# KiCad board JL-rev1.kicad_pcb (continued)
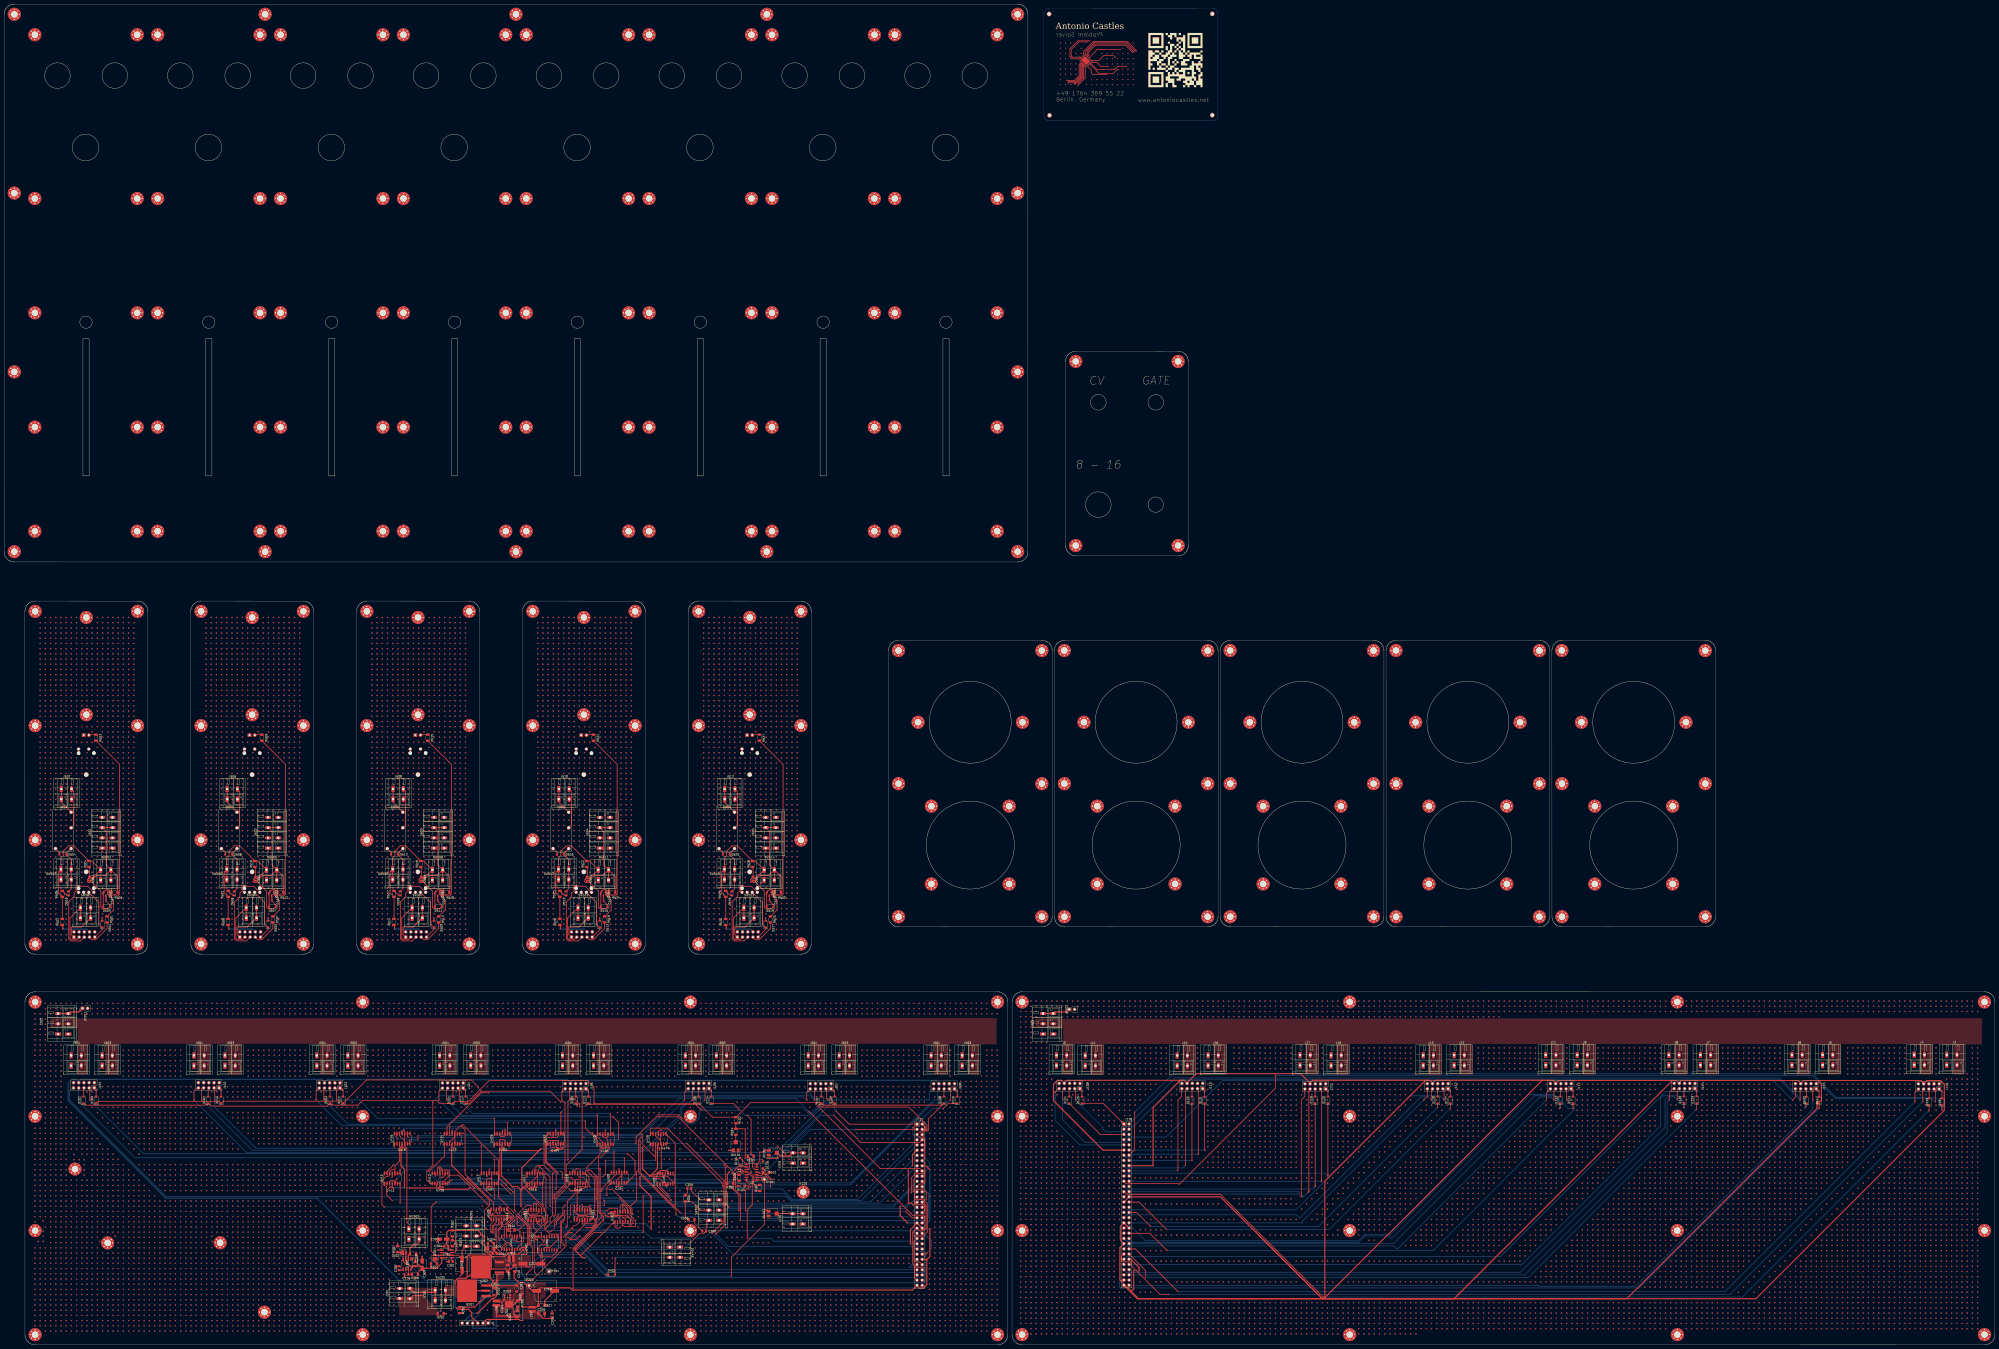
[diagram p0: board, top side]
## Routing (per net, layer and track width the routed paths; a pad name or vN(x,y) marks a point on that pad's centre or on a via; arc(x,y) is an arc through that point) (continued)
v2(144.63,77.92) v2(144.63,75.38) v2(144.63,70.3) v2(144.63,67.76) v2(144.63,65.22) v2(144.63,62.68) v2(144.63,60.14) v2(144.63,57.6) v2(144.63,55.06) v2(144.63,52.52) v2(144.63,49.98) v2(144.63,47.44) v2(144.63,44.9) v2(144.63,42.36) v2(144.63,39.82) v2(144.63,37.28) v2(144.63,34.74) v2(144.63,32.2) v2(144.63,29.66) v2(144.63,27.12) v2(144.63,24.58) v2(144.63,22.04) v2(144.63,19.5) v2(144.63,16.96) v2(144.63,14.42) v2(144.63,11.88) v2(144.63,9.34) v2(144.63,6.8) v2(147.17,166.82) v2(147.17,164.28) v2(147.17,161.74) v2(147.17,143.96) v2(147.17,141.42) v2(147.17,138.88) v2(147.17,136.34) v2(147.17,133.8) v2(147.17,131.26) v2(147.17,126.18) v2(147.17,123.64) v2(147.17,121.1) v2(147.17,113.48) v2(147.17,110.94) v2(147.17,108.4) v2(147.17,105.86) v2(147.17,103.32) v2(147.17,100.78) v2(147.17,98.24) v2(147.17,88.08) v2(147.17,85.54) v2(147.17,83) v2(147.17,80.46) v2(147.17,77.92) v2(147.17,75.38) v2(147.17,70.3) v2(147.17,67.76) v2(147.17,65.22) v2(147.17,62.68) v2(147.17,60.14) v2(147.17,57.6) v2(147.17,55.06) v2(147.17,52.52) v2(147.17,49.98) v2(147.17,47.44) v2(147.17,44.9) v2(147.17,42.36) v2(147.17,39.82) v2(147.17,37.28) v2(147.17,34.74) v2(147.17,32.2) v2(147.17,29.66) v2(147.17,27.12) v2(147.17,24.58) v2(147.17,22.04) v2(147.17,19.5) v2(147.17,16.96) v2(147.17,14.42) v2(147.17,11.88) v2(147.17,9.34) v2(147.17,6.8) v2(149.71,166.82) v2(149.71,164.28) v2(149.71,161.74) v2(149.71,126.18) v2(149.71,123.64) v2(149.71,121.1) v2(149.71,113.48) v2(149.71,110.94) v2(149.71,108.4) v2(149.71,105.86) v2(149.71,103.32) v2(149.71,100.78) v2(149.71,98.24) v2(149.71,88.08) v2(149.71,85.54) v2(149.71,83) v2(149.71,80.46) v2(149.71,77.92) v2(149.71,75.38) v2(149.71,70.3) v2(149.71,67.76) v2(149.71,65.22) v2(149.71,62.68) v2(149.71,60.14) v2(149.71,57.6) v2(149.71,55.06) v2(149.71,52.52) v2(149.71,49.98) v2(149.71,47.44) v2(149.71,44.9) v2(149.71,42.36) v2(149.71,39.82) v2(149.71,37.28) v2(149.71,34.74) v2(149.71,32.2) v2(149.71,29.66) v2(149.71,27.12) v2(149.71,24.58) v2(149.71,22.04) v2(149.71,19.5) v2(149.71,16.96) v2(149.71,14.42) v2(149.71,11.88) v2(149.71,9.34) v2(149.71,6.8) v2(152.25,166.82) v2(152.25,164.28) v2(152.25,161.74) v2(152.25,113.48) v2(152.25,110.94) v2(152.25,108.4) v2(152.25,105.86) v2(152.25,103.32) v2(152.25,100.78) v2(152.25,98.24) v2(152.25,88.08) v2(152.25,85.54) v2(152.25,83) v2(152.25,80.46) v2(152.25,77.92) v2(152.25,75.38) v2(152.25,67.76) v2(152.25,65.22) v2(152.25,62.68) v2(152.25,60.14) v2(152.25,57.6) v2(152.25,55.06) v2(152.25,52.52) v2(152.25,49.98) v2(152.25,47.44) v2(152.25,44.9) v2(152.25,42.36) v2(152.25,39.82) v2(152.25,37.28) v2(152.25,34.74) v2(152.25,32.2) v2(152.25,29.66) v2(152.25,27.12) v2(152.25,24.58) v2(152.25,22.04) v2(152.25,19.5) v2(152.25,16.96) v2(152.25,14.42) v2(152.25,11.88) v2(152.25,9.34) v2(152.25,6.8) v2(154.79,166.82) v2(154.79,164.28) v2(154.79,161.74) v2(154.79,123.64) v2(154.79,113.48) v2(154.79,110.94) v2(154.79,108.4) v2(154.79,105.86) v2(154.79,103.32) v2(154.79,100.78) v2(154.79,98.24) v2(154.79,88.08) v2(154.79,85.54) v2(154.79,83) v2(154.79,80.46) v2(154.79,77.92) v2(154.79,75.38) v2(154.79,65.22) v2(154.79,62.68) v2(154.79,60.14) v2(154.79,57.6) v2(154.79,55.06) v2(154.79,52.52) v2(154.79,49.98) v2(154.79,47.44) v2(154.79,44.9) v2(154.79,42.36) v2(154.79,39.82) v2(154.79,37.28) v2(154.79,34.74) v2(154.79,32.2) v2(154.79,29.66) v2(154.79,27.12) v2(154.79,24.58) v2(154.79,22.04) v2(154.79,19.5) v2(154.79,16.96) v2(154.79,14.42) v2(154.79,11.88) v2(154.79,9.34) v2(154.79,6.8) v2(157.33,166.82) v2(157.33,164.28) v2(157.33,161.74) v2(157.33,123.64) v2(157.33,110.94) v2(157.33,108.4) v2(157.33,105.86) v2(157.33,103.32) v2(157.33,100.78) v2(157.33,98.24) v2(157.33,88.08) v2(157.33,85.54) v2(157.33,83) v2(157.33,80.46) v2(157.33,77.92) v2(157.33,75.38) v2(157.33,70.3) v2(157.33,62.68) v2(157.33,60.14) v2(157.33,57.6) v2(157.33,55.06) v2(157.33,52.52) v2(157.33,49.98) v2(157.33,47.44) v2(157.33,44.9) v2(157.33,42.36) v2(157.33,39.82) v2(157.33,37.28) v2(157.33,34.74) v2(157.33,32.2) v2(157.33,29.66) v2(157.33,27.12) v2(157.33,24.58) v2(157.33,22.04) v2(157.33,19.5) v2(157.33,16.96) v2(157.33,14.42) v2(157.33,11.88) v2(157.33,9.34) v2(157.33,6.8) v2(159.87,166.82) v2(159.87,164.28) v2(159.87,161.74) v2(159.87,108.4) v2(159.87,105.86) v2(159.87,103.32) v2(159.87,100.78) v2(159.87,98.24) v2(159.87,88.08) v2(159.87,85.54) v2(159.87,83) v2(159.87,80.46) v2(159.87,77.92) v2(159.87,75.38) v2(159.87,70.3) v2(159.87,67.76) v2(159.87,60.14) v2(159.87,57.6) v2(159.87,55.06) v2(159.87,52.52) v2(159.87,49.98) v2(159.87,47.44) v2(159.87,44.9) v2(159.87,42.36) v2(159.87,39.82) v2(159.87,37.28) v2(159.87,34.74) v2(159.87,32.2) v2(159.87,29.66) v2(159.87,27.12) v2(159.87,24.58) v2(159.87,22.04) v2(159.87,19.5) v2(159.87,16.96) v2(159.87,14.42) v2(159.87,11.88) v2(159.87,9.34) v2(159.87,6.8) v2(162.41,166.82) v2(162.41,164.28) v2(162.41,161.74) v2(162.41,143.96) v2(162.41,141.42) v2(162.41,138.88) v2(162.41,136.34) v2(162.41,133.8) v2(162.41,131.26) v2(162.41,116.02) v2(162.41,105.86) v2(162.41,103.32) v2(162.41,100.78) v2(162.41,98.24) v2(162.41,88.08) v2(162.41,85.54) v2(162.41,83) v2(162.41,80.46) v2(162.41,77.92) v2(162.41,75.38) v2(162.41,70.3) v2(162.41,67.76) v2(162.41,65.22) v2(162.41,57.6) v2(162.41,55.06) v2(162.41,52.52) v2(162.41,49.98) v2(162.41,47.44) v2(162.41,44.9) v2(162.41,42.36) v2(162.41,39.82) v2(162.41,37.28) v2(162.41,34.74) v2(162.41,32.2) v2(162.41,29.66) v2(162.41,27.12) v2(162.41,24.58) v2(162.41,22.04) v2(162.41,19.5) v2(162.41,16.96) v2(162.41,14.42) v2(162.41,11.88) v2(162.41,9.34) v2(162.41,6.8) v2(164.95,166.82) v2(164.95,164.28) v2(164.95,161.74) v2(164.95,116.02) v2(164.95,113.48) v2(164.95,105.86) v2(164.95,103.32) v2(164.95,100.78) v2(164.95,98.24) v2(164.95,88.08) v2(164.95,85.54) v2(164.95,83) v2(164.95,80.46) v2(164.95,77.92) v2(164.95,75.38) v2(164.95,70.3) v2(164.95,67.76) v2(164.95,65.22) v2(164.95,62.68) v2(164.95,55.06) v2(164.95,52.52) v2(164.95,49.98) v2(164.95,47.44) v2(164.95,44.9) v2(164.95,42.36) v2(164.95,39.82) v2(164.95,37.28) v2(164.95,34.74) v2(164.95,32.2) v2(164.95,29.66) v2(164.95,27.12) v2(164.95,24.58) v2(164.95,22.04) v2(164.95,19.5) v2(164.95,16.96) v2(164.95,14.42) v2(164.95,11.88) v2(164.95,9.34) v2(164.95,6.8) v2(167.49,166.82) v2(167.49,164.28) v2(167.49,161.74) v2(167.49,126.18) v2(167.49,123.64) v2(167.49,116.02) v2(167.49,113.48) v2(167.49,110.94) v2(167.49,105.86) v2(167.49,103.32) v2(167.49,100.78) v2(167.49,98.24) v2(167.49,88.08) v2(167.49,85.54) v2(167.49,83) v2(167.49,80.46) v2(167.49,77.92) v2(167.49,75.38) v2(167.49,70.3) v2(167.49,67.76) v2(167.49,65.22) v2(167.49,62.68) v2(167.49,60.14) v2(167.49,52.52) v2(167.49,49.98) v2(167.49,47.44) v2(167.49,44.9) v2(167.49,42.36) v2(167.49,39.82) v2(167.49,37.28) v2(167.49,34.74) v2(167.49,32.2) v2(167.49,29.66) v2(167.49,27.12) v2(167.49,24.58) v2(167.49,22.04) v2(167.49,19.5) v2(167.49,16.96) v2(167.49,14.42) v2(167.49,11.88) v2(167.49,9.34) v2(167.49,6.8) v2(170.03,166.82) v2(170.03,164.28) v2(170.03,161.74) v2(170.03,126.18) v2(170.03,118.56) v2(170.03,116.02) v2(170.03,113.48) v2(170.03,110.94) v2(170.03,105.86) v2(170.03,103.32) v2(170.03,100.78) v2(170.03,98.24) v2(170.03,88.08) v2(170.03,85.54) v2(170.03,83) v2(170.03,80.46) v2(170.03,77.92) v2(170.03,75.38) v2(170.03,70.3) v2(170.03,67.76) v2(170.03,65.22) v2(170.03,62.68) v2(170.03,60.14) v2(170.03,57.6) v2(170.03,49.98) v2(170.03,47.44) v2(170.03,44.9) v2(170.03,42.36) v2(170.03,39.82) v2(170.03,37.28) v2(170.03,34.74) v2(170.03,32.2) v2(170.03,29.66) v2(170.03,27.12) v2(170.03,24.58) v2(170.03,22.04) v2(170.03,19.5) v2(170.03,16.96) v2(170.03,14.42) v2(170.03,11.88) v2(170.03,9.34) v2(170.03,6.8) v2(172.57,161.74) v2(172.57,121.1) v2(172.57,116.02) v2(172.57,105.86) v2(172.57,103.32) v2(172.57,100.78) v2(172.57,98.24) v2(172.57,88.08) v2(172.57,85.54) v2(172.57,83) v2(172.57,80.46) v2(172.57,77.92) v2(172.57,75.38) v2(172.57,70.3) v2(172.57,67.76) v2(172.57,65.22) v2(172.57,62.68) v2(172.57,60.14) v2(172.57,47.44) v2(172.57,44.9) v2(172.57,42.36) v2(172.57,39.82) v2(172.57,37.28) v2(172.57,34.74) v2(172.57,32.2) v2(172.57,29.66) v2(172.57,27.12) v2(172.57,24.58) v2(172.57,22.04) v2(172.57,19.5) v2(172.57,16.96) v2(172.57,14.42) v2(172.57,11.88) v2(172.57,9.34) v2(175.11,161.74) v2(175.11,123.64) v2(175.11,121.1) v2(175.11,105.86) v2(175.11,103.32) v2(175.11,100.78) v2(175.11,98.24) v2(175.11,88.08) v2(175.11,85.54) v2(175.11,83) v2(175.11,80.46) v2(175.11,77.92) v2(175.11,75.38) v2(175.11,70.3) v2(175.11,67.76) v2(175.11,65.22) v2(175.11,62.68) v2(175.11,60.14) v2(175.11,44.9) v2(175.11,42.36) v2(175.11,39.82) v2(175.11,37.28) v2(175.11,34.74) v2(175.11,32.2) v2(175.11,29.66) v2(175.11,27.12) v2(175.11,24.58) v2(175.11,22.04) v2(175.11,19.5) v2(175.11,16.96) v2(175.11,14.42) v2(175.11,11.88) v2(175.11,9.34) v2(177.65,161.74) v2(177.65,143.96) v2(177.65,141.42) v2(177.65,138.88) v2(177.65,136.34) v2(177.65,133.8) v2(177.65,131.26) v2(177.65,126.18) v2(177.65,123.64) v2(177.65,121.1) v2(177.65,105.86) v2(177.65,103.32) v2(177.65,100.78) v2(177.65,98.24) v2(177.65,88.08) v2(177.65,85.54) v2(177.65,83) v2(177.65,80.46) v2(177.65,77.92) v2(177.65,75.38) v2(177.65,70.3) v2(177.65,67.76) v2(177.65,65.22) v2(177.65,62.68) v2(177.65,60.14) v2(177.65,49.98) v2(177.65,42.36) v2(177.65,39.82) v2(177.65,37.28) v2(177.65,34.74) v2(177.65,32.2) v2(177.65,29.66) v2(177.65,27.12) v2(177.65,24.58) v2(177.65,22.04) v2(177.65,19.5) v2(177.65,16.96) v2(177.65,14.42) v2(177.65,11.88) v2(177.65,9.34) v2(180.19,166.82) v2(180.19,164.28) v2(180.19,161.74) v2(180.19,143.96) v2(180.19,141.42) v2(180.19,138.88) v2(180.19,136.34) v2(180.19,133.8) v2(180.19,131.26) v2(180.19,126.18) v2(180.19,123.64) v2(180.19,121.1) v2(180.19,116.02) v2(180.19,105.86) v2(180.19,103.32) v2(180.19,100.78) v2(180.19,98.24) v2(180.19,88.08) v2(180.19,85.54) v2(180.19,83) v2(180.19,80.46) v2(180.19,77.92) v2(180.19,75.38) v2(180.19,70.3) v2(180.19,67.76) v2(180.19,65.22) v2(180.19,62.68) v2(180.19,60.14) v2(180.19,57.6) v2(180.19,55.06) v2(180.19,52.52) v2(180.19,49.98) v2(180.19,47.44) v2(180.19,39.82) v2(180.19,37.28) v2(180.19,34.74) v2(180.19,32.2) v2(180.19,29.66) v2(180.19,27.12) v2(180.19,24.58) v2(180.19,22.04) v2(180.19,19.5) v2(180.19,16.96) v2(180.19,14.42) v2(180.19,11.88) v2(180.19,9.34) v2(180.19,6.8) v2(182.73,166.82) v2(182.73,164.28) v2(182.73,161.74) v2(182.73,143.96) v2(182.73,141.42) v2(182.73,138.88) v2(182.73,136.34) v2(182.73,133.8) v2(182.73,131.26) v2(182.73,126.18) v2(182.73,123.64) v2(182.73,121.1) v2(182.73,116.02) v2(182.73,113.48) v2(182.73,105.86) v2(182.73,103.32) v2(182.73,100.78) v2(182.73,98.24) v2(182.73,88.08) v2(182.73,85.54) v2(182.73,83) v2(182.73,80.46) v2(182.73,77.92) v2(182.73,75.38) v2(182.73,70.3) v2(182.73,67.76) v2(182.73,65.22) v2(182.73,62.68) v2(182.73,60.14) v2(182.73,57.6) v2(182.73,55.06) v2(182.73,52.52) v2(182.73,49.98) v2(182.73,47.44) v2(182.73,44.9) v2(182.73,37.28) v2(182.73,34.74) v2(182.73,32.2) v2(182.73,29.66) v2(182.73,27.12) v2(182.73,24.58) v2(182.73,22.04) v2(182.73,19.5) v2(182.73,16.96) v2(182.73,14.42) v2(182.73,11.88) v2(182.73,9.34) v2(182.73,6.8) v2(185.27,166.82) v2(185.27,164.28) v2(185.27,161.74) v2(185.27,143.96) v2(185.27,141.42) v2(185.27,138.88) v2(185.27,136.34) v2(185.27,133.8) v2(185.27,131.26) v2(185.27,126.18) v2(185.27,123.64) v2(185.27,121.1) v2(185.27,116.02) v2(185.27,113.48) v2(185.27,105.86) v2(185.27,103.32) v2(185.27,100.78) v2(185.27,98.24) v2(185.27,88.08) v2(185.27,65.22) v2(185.27,62.68) v2(185.27,60.14) v2(185.27,57.6) v2(185.27,55.06) v2(185.27,52.52) v2(185.27,49.98) v2(185.27,47.44) v2(185.27,44.9) v2(185.27,42.36) v2(185.27,34.74) v2(185.27,32.2) v2(185.27,29.66) v2(185.27,27.12) v2(185.27,24.58) v2(185.27,22.04) v2(185.27,19.5) v2(185.27,16.96) v2(185.27,14.42) v2(185.27,11.88) v2(185.27,9.34) v2(185.27,6.8) v2(187.81,166.82) v2(187.81,164.28) v2(187.81,161.74) v2(187.81,143.96) v2(187.81,141.42) v2(187.81,138.88) v2(187.81,136.34) v2(187.81,133.8) v2(187.81,131.26) v2(187.81,126.18) v2(187.81,123.64) v2(187.81,121.1) v2(187.81,116.02) v2(187.81,113.48) v2(187.81,105.86) v2(187.81,103.32) v2(187.81,100.78) v2(187.81,98.24) v2(187.81,88.08) v2(187.81,65.22) v2(187.81,62.68) v2(187.81,60.14) v2(187.81,57.6) v2(187.81,55.06) v2(187.81,52.52) v2(187.81,49.98) v2(187.81,47.44) v2(187.81,44.9) v2(187.81,42.36) v2(187.81,39.82) v2(187.81,32.2) v2(187.81,29.66) v2(187.81,27.12) v2(187.81,24.58) v2(187.81,22.04) v2(187.81,19.5) v2(187.81,16.96) v2(187.81,14.42) v2(187.81,11.88) v2(187.81,9.34) v2(187.81,6.8) v2(190.35,166.82) v2(190.35,164.28) v2(190.35,161.74) v2(190.35,143.96) v2(190.35,141.42) v2(190.35,138.88) v2(190.35,136.34) v2(190.35,133.8) v2(190.35,131.26) v2(190.35,126.18) v2(190.35,123.64) v2(190.35,121.1) v2(190.35,116.02) v2(190.35,113.48) v2(190.35,105.86) v2(190.35,65.22) v2(190.35,62.68) v2(190.35,60.14) v2(190.35,57.6) v2(190.35,55.06) v2(190.35,52.52) v2(190.35,49.98) v2(190.35,47.44) v2(190.35,44.9) v2(190.35,42.36) v2(190.35,29.66) v2(190.35,27.12) v2(190.35,24.58) v2(190.35,22.04) v2(190.35,19.5) v2(190.35,16.96) v2(190.35,14.42) v2(190.35,11.88) v2(190.35,9.34) v2(190.35,6.8) v2(192.89,166.82) v2(192.89,164.28) v2(192.89,161.74) v2(192.89,143.96) v2(192.89,141.42) v2(192.89,138.88) v2(192.89,136.34) v2(192.89,133.8) v2(192.89,131.26) v2(192.89,126.18) v2(192.89,123.64) v2(192.89,121.1) v2(192.89,116.02) v2(192.89,113.48) v2(192.89,105.86) v2(192.89,65.22) v2(192.89,62.68) v2(192.89,60.14) v2(192.89,57.6) v2(192.89,55.06) v2(192.89,52.52) v2(192.89,42.36) v2(192.89,34.74) v2(192.89,24.58) v2(192.89,11.88) v2(192.89,9.34) v2(192.89,6.8) v2(195.43,166.82) v2(195.43,164.28) v2(195.43,161.74) v2(195.43,143.96) v2(195.43,141.42) v2(195.43,138.88) v2(195.43,136.34) v2(195.43,133.8) v2(195.43,131.26) v2(195.43,126.18) v2(195.43,123.64) v2(195.43,121.1) v2(195.43,116.02) v2(195.43,113.48) v2(195.43,65.22) v2(195.43,62.68) v2(195.43,57.6) v2(195.43,55.06) v2(195.43,52.52) v2(195.43,49.98) v2(195.43,47.44) v2(195.43,24.58) v2(195.43,11.88) v2(195.43,9.34) v2(195.43,6.8) v2(197.97,166.82) v2(197.97,164.28) v2(197.97,161.74) v2(197.97,143.96) v2(197.97,141.42) v2(197.97,138.88) v2(197.97,136.34) v2(197.97,133.8) v2(197.97,131.26) v2(197.97,126.18) v2(197.97,123.64) v2(197.97,121.1) v2(197.97,116.02) v2(197.97,113.48) v2(197.97,83) v2(197.97,80.46) v2(197.97,65.22) v2(197.97,62.68) v2(197.97,32.2) v2(197.97,24.58) v2(197.97,11.88) v2(197.97,9.34) v2(197.97,6.8) v2(200.51,166.82) v2(200.51,164.28) v2(200.51,161.74) v2(200.51,143.96) v2(200.51,141.42) v2(200.51,138.88) v2(200.51,136.34) v2(200.51,133.8) v2(200.51,131.26) v2(200.51,126.18) v2(200.51,123.64) v2(200.51,121.1) v2(200.51,116.02) v2(200.51,113.48) v2(200.51,103.32) v2(200.51,98.24) v2(200.51,83) v2(200.51,80.46) v2(200.51,77.92) v2(200.51,75.38) v2(200.51,65.22) v2(200.51,62.68) v2(200.51,57.6) v2(200.51,55.06) v2(200.51,52.52) v2(200.51,32.2) v2(200.51,11.88) v2(200.51,9.34) v2(200.51,6.8) v2(203.05,166.82) v2(203.05,164.28) v2(203.05,161.74) v2(203.05,143.96) v2(203.05,141.42) v2(203.05,138.88) v2(203.05,136.34) v2(203.05,133.8) v2(203.05,131.26) v2(203.05,126.18) v2(203.05,123.64) v2(203.05,121.1) v2(203.05,116.02) v2(203.05,113.48) v2(203.05,98.24) v2(203.05,83) v2(203.05,80.46) v2(203.05,77.92) v2(203.05,75.38) v2(203.05,65.22) v2(203.05,62.68) v2(203.05,47.44) v2(203.05,44.9) v2(203.05,11.88) v2(203.05,9.34) v2(203.05,6.8) v2(205.59,166.82) v2(205.59,164.28) v2(205.59,161.74) v2(205.59,143.96) v2(205.59,141.42) v2(205.59,138.88) v2(205.59,136.34) v2(205.59,133.8) v2(205.59,131.26) v2(205.59,126.18) v2(205.59,123.64) v2(205.59,121.1) v2(205.59,116.02) v2(205.59,113.48) v2(205.59,103.32) v2(205.59,98.24) v2(205.59,77.92) v2(205.59,75.38) v2(205.59,65.22) v2(205.59,62.68) v2(205.59,57.6) v2(205.59,55.06) v2(205.59,52.52) v2(205.59,49.98) v2(205.59,47.44) v2(205.59,44.9) v2(205.59,34.74) v2(205.59,11.88) v2(205.59,9.34) v2(205.59,6.8) v2(208.13,166.82) v2(208.13,164.28) v2(208.13,161.74) v2(208.13,126.18) v2(208.13,123.64) v2(208.13,121.1) v2(208.13,116.02) v2(208.13,113.48) v2(208.13,103.32) v2(208.13,98.24) v2(208.13,75.38) v2(208.13,42.36) v2(208.13,34.74) v2(208.13,11.88) v2(208.13,9.34) v2(208.13,6.8) v2(210.67,166.82) v2(210.67,164.28) v2(210.67,161.74) v2(210.67,126.18) v2(210.67,123.64) v2(210.67,116.02) v2(210.67,113.48) v2(210.67,103.32) v2(210.67,98.24) v2(210.67,65.22) v2(210.67,62.68) v2(210.67,57.6) v2(210.67,55.06) v2(210.67,34.74) v2(210.67,11.88) v2(210.67,9.34) v2(210.67,6.8) v2(213.21,166.82) v2(213.21,164.28) v2(213.21,161.74) v2(213.21,116.02) v2(213.21,113.48) v2(213.21,103.32) v2(213.21,98.24) v2(213.21,65.22) v2(213.21,62.68) v2(213.21,57.6) v2(213.21,55.06) v2(213.21,37.28) v2(213.21,34.74) v2(213.21,27.12) v2(213.21,24.58) v2(213.21,22.04) v2(213.21,19.5) v2(213.21,16.96) v2(213.21,14.42) v2(213.21,11.88) v2(213.21,9.34) v2(213.21,6.8) v2(215.75,166.82) v2(215.75,164.28) v2(215.75,161.74) v2(215.75,113.48) v2(215.75,65.22) v2(215.75,62.68) v2(215.75,57.6) v2(215.75,37.28) v2(215.75,34.74) v2(215.75,11.88) v2(215.75,9.34) v2(215.75,6.8) v2(218.29,166.82) v2(218.29,164.28) v2(218.29,161.74) v2(218.29,65.22) v2(218.29,62.68) v2(218.29,57.6) v2(218.29,37.28) v2(218.29,34.74) v2(218.29,22.04) v2(218.29,19.5) v2(218.29,16.96) v2(218.29,14.42) v2(218.29,11.88) v2(218.29,9.34) v2(218.29,6.8) v2(220.83,166.82) v2(220.83,164.28) v2(220.83,161.74) v2(220.83,123.64) v2(220.83,65.22) v2(220.83,62.68) v2(220.83,57.6) v2(220.83,52.52) v2(220.83,39.82) v2(220.83,37.28) v2(220.83,34.74) v2(220.83,11.88) v2(220.83,9.34) v2(220.83,6.8) v2(223.37,166.82) v2(223.37,164.28) v2(223.37,161.74) v2(223.37,123.64) v2(223.37,116.02) v2(223.37,65.22) v2(223.37,62.68) v2(223.37,49.98) v2(223.37,6.8) v2(225.91,166.82) v2(225.91,164.28) v2(225.91,161.74) v2(225.91,113.48) v2(225.91,65.22) v2(225.91,62.68) v2(225.91,49.98) v2(225.91,6.8) v2(228.45,166.82) v2(228.45,164.28) v2(228.45,161.74) v2(228.45,126.18) v2(228.45,123.64) v2(228.45,116.02) v2(228.45,85.54) v2(228.45,83) v2(228.45,65.22) v2(228.45,62.68) v2(228.45,6.8) v2(230.99,166.82) v2(230.99,164.28) v2(230.99,161.74) v2(230.99,118.56) v2(230.99,116.02) v2(230.99,85.54) v2(230.99,83) v2(230.99,65.22) v2(230.99,62.68) v2(230.99,6.8) v2(233.53,166.82) v2(233.53,164.28) v2(233.53,161.74) v2(233.53,118.56) v2(233.53,116.02) v2(233.53,67.76) v2(233.53,62.68) v2(233.53,60.14) v2(233.53,6.8) v2(236.07,166.82) v2(236.07,164.28) v2(236.07,161.74) v2(236.07,126.18) v2(236.07,118.56) v2(236.07,116.02) v2(236.07,60.14) v2(236.07,52.52) v2(236.07,16.96) v2(236.07,6.8) v2(238.61,166.82) v2(238.61,164.28) v2(238.61,161.74) v2(238.61,143.96) v2(238.61,141.42) v2(238.61,138.88) v2(238.61,136.34) v2(238.61,133.8) v2(238.61,131.26) v2(238.61,126.18) v2(238.61,118.56) v2(238.61,116.02) v2(238.61,6.8) v2(241.15,166.82) v2(241.15,164.28) v2(241.15,161.74) v2(241.15,143.96) v2(241.15,141.42) v2(241.15,138.88) v2(241.15,136.34) v2(241.15,133.8) v2(241.15,131.26) v2(241.15,126.18) v2(241.15,118.56) v2(241.15,116.02) v2(241.15,9.34) v2(241.15,6.8) v2(243.69,166.82) v2(243.69,164.28) v2(243.69,161.74) v2(243.69,143.96) v2(243.69,141.42) v2(243.69,138.88) v2(243.69,136.34) v2(243.69,133.8) v2(243.69,131.26) v2(243.69,126.18) v2(243.69,118.56) v2(243.69,116.02) v2(243.69,9.34) v2(243.69,6.8) v2(246.23,166.82) v2(246.23,164.28) v2(246.23,161.74) v2(246.23,143.96) v2(246.23,141.42) v2(246.23,138.88) v2(246.23,136.34) v2(246.23,133.8) v2(246.23,131.26) v2(246.23,126.18) v2(246.23,118.56) v2(246.23,116.02) v2(246.23,85.54) v2(246.23,9.34) v2(246.23,6.8) v2(248.77,166.82) v2(248.77,164.28) v2(248.77,161.74) v2(248.77,143.96) v2(248.77,141.42) v2(248.77,138.88) v2(248.77,136.34) v2(248.77,133.8) v2(248.77,131.26) v2(248.77,126.18) v2(248.77,118.56) v2(248.77,116.02) v2(248.77,108.4) v2(248.77,85.54) v2(248.77,9.34) v2(248.77,6.8) v2(251.31,166.82) v2(251.31,164.28) v2(251.31,161.74) v2(251.31,143.96) v2(251.31,141.42) v2(251.31,138.88) v2(251.31,136.34) v2(251.31,133.8) v2(251.31,131.26) v2(251.31,126.18) v2(251.31,118.56) v2(251.31,116.02) v2(251.31,108.4) v2(251.31,85.54) 